# Altium PCB RockerBox_Rev04.PcbDoc (part 2 of 9)
Units mil, origin at the board's own origin, x right, y up, seen from the top; angles counter-clockwise.
Board outline 5354.33 x 8818.9 mil, 4 copper layers (L1, L2, L3, L4), stack 62.087 mil thick; 582 components, 159 nets, 3630 pads, 4701 vias.
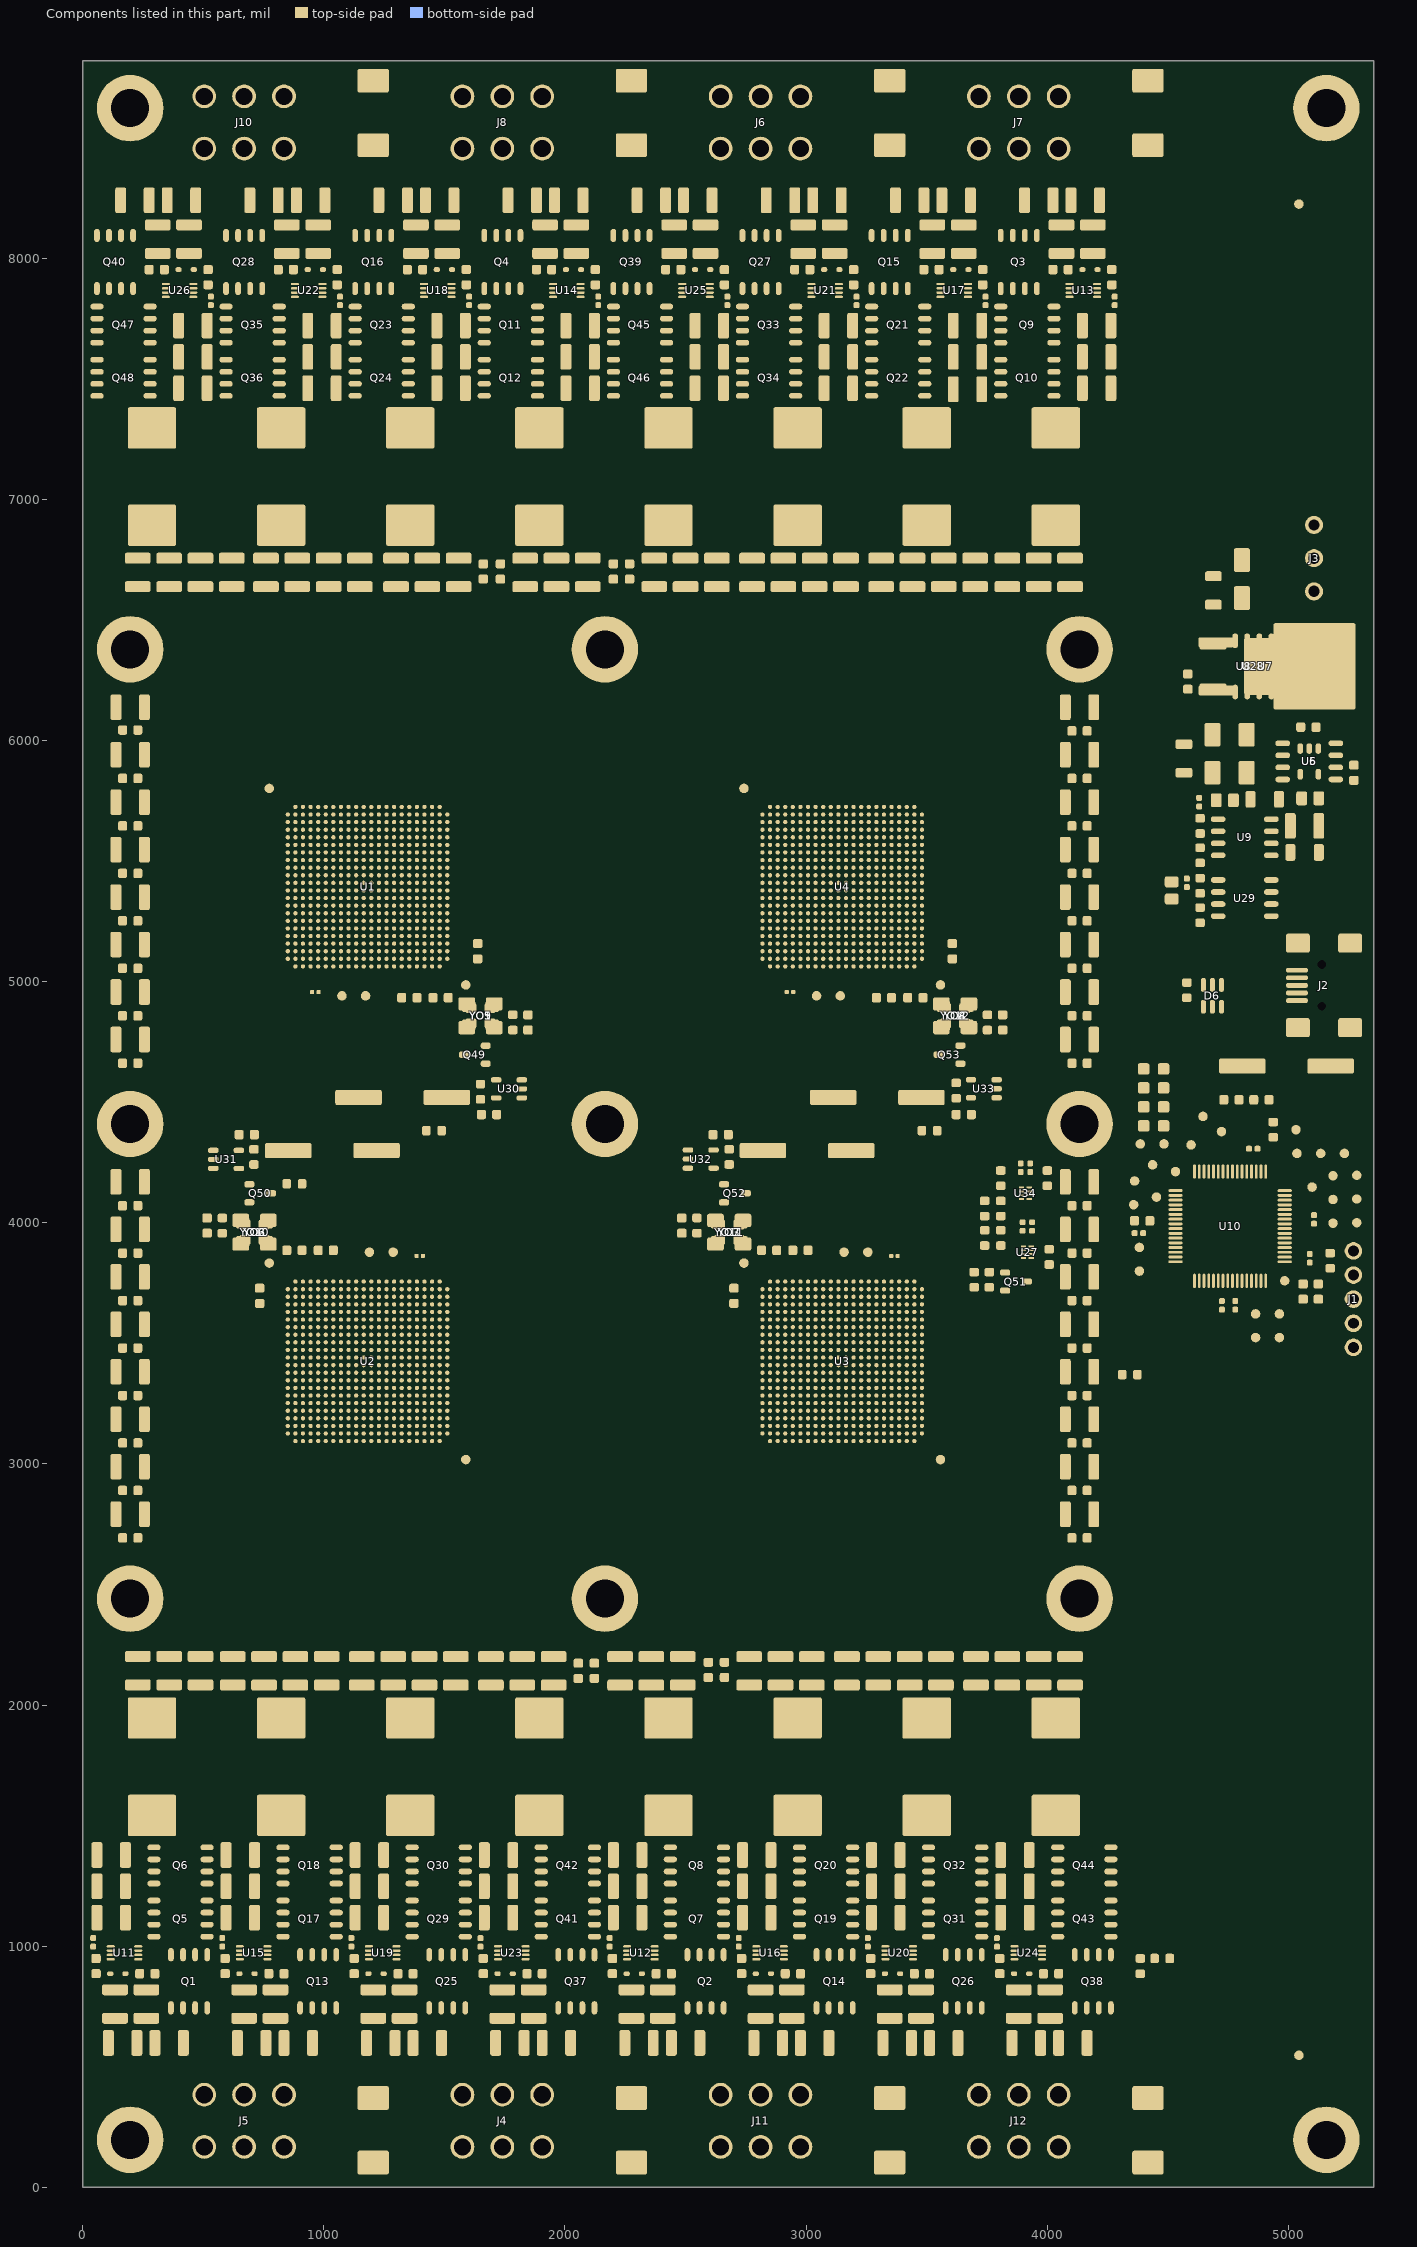
[diagram p4: the components of this part, seen from the top]

## Components (designator, comment, footprint, x,y, rotation, side; value= is the part's Value field where it differs from the comment) (continued)
C130 "C" SMD_1210_CAPC3225X279N 1952.76,2141.73 r270 top
C131 "C" SMD_1210_CAPC3225X279N 1692.91,2141.73 r270 top
C132 "C" SMD_1210_CAPC3225X279N 1822.83,2141.73 r270 top
C133 "C" SMD_1210_CAPC3225X270N 3881.89,759.84 r90 top
C134 "C" SMD_1210_CAPC3225X270N 4106.3,598.43 r0 top
C135 "C" SMD_1210_CAPC3225X279N 4094.49,2141.73 r270 top
C136 "C" SMD_1210_CAPC3225X279N 3834.65,2141.73 r270 top
C137 "C" SMD_1210_CAPC3225X279N 3964.57,2141.73 r270 top
C138 "C" SMD_1210_CAPC3225X270N 2582.68,8078.74 r270 top
C139 "C" SMD_1210_CAPC3225X270N 2358.27,8240.16 r180 top
C140 "C" SMD_1210_CAPC3225X279N 2629.92,6696.85 r90 top
C141 "C" SMD_1210_CAPC3225X279N 2500,6696.85 r90 top
C142 "C" SMD_1210_CAPC3225X279N 2370.08,6696.85 r90 top
C143 "C" SMD_1210_CAPC3225X270N 440.94,8078.74 r270 top
C144 "C" SMD_1210_CAPC3225X270N 216.54,8240.16 r180 top
C145 "C" SMD_1210_CAPC3225X279N 488.19,6696.85 r90 top
C146 "C" SMD_1210_CAPC3225X279N 358.27,6696.85 r90 top
C147 "C" SMD_1210_CAPC3225X279N 228.35,6696.85 r90 top
C148 "C" SMD_0603_CAPC1608X95N 196.85,4661.42 r180 top
C149 "C" SMD_0603_CAPC1608X95N 196.85,5448.82 r180 top
C150 "C" SMD_0603_CAPC1608X95N 1661.42,6700.79 r90 top
C151 "C" SMD_0603_CAPC1608X95N 196.85,5055.12 r180 top
C152 "C" SMD_0603_CAPC1608X95N 196.85,4858.27 r180 top
C153 "C" SMD_0603_CAPC1608X95N 196.85,5251.97 r180 top
C154 "C" SMD_0603_CAPC1608X95N 196.85,5645.67 r180 top
C155 "C" SMD_0603_CAPC1608X95N 196.85,5842.52 r180 top
C156 "C" SMD_1210_CAPC3225X279N 618.11,6696.85 r90 top
C157 "C" SMD_1210_CAPC3225X279N 196.85,6137.8 r180 top
C158 "C" SMD_1210_CAPC3225X279N 196.85,5547.24 r180 top
C159 "C" SMD_1210_CAPC3225X279N 196.85,5940.94 r180 top
C160 "C" SMD_1210_CAPC3225X279N 196.85,5744.09 r180 top
C161 "C" SMD_1210_CAPC3225X279N 196.85,5350.39 r180 top
C162 "C" SMD_1210_CAPC3225X279N 196.85,5153.54 r180 top
C163 "C" SMD_1210_CAPC3225X279N 196.85,4956.69 r180 top
C164 "C" SMD_1210_CAPC3225X279N 196.85,4759.84 r180 top
C165 "C" SMD_1210_CAPC3225X279N 1149.61,6696.85 r90 top
C166 "C" SMD_0603_CAPC1608X95N 2200.79,6700.79 r90 top
C167 "C" SMD_0603_CAPC1608X95N 4133.86,5842.52 r0 top
C168 "C" SMD_0402_CAPC1005X55N 3937.2,3984.25 r270 top
C169 "C" SMD_0603_CAPC1608X95N 4133.86,4858.27 r0 top
C170 "C" SMD_0603_CAPC1608X95N 4133.86,5251.97 r0 top
C171 "C" SMD_0603_CAPC1608X95N 2267.72,6700.79 r90 top
C172 "C" SMD_0603_CAPC1608X95N 4133.86,5055.12 r0 top
C173 "C" SMD_0603_CAPC1608X95N 4133.86,5448.82 r0 top
C174 "C" SMD_0603_CAPC1608X95N 4133.86,5645.67 r0 top
C175 "C" SMD_0603_CAPC1608X95N 4133.86,4661.42 r0 top
C176 "C" SMD_0603_CAPC1608X95N 4133.86,6039.37 r0 top
C177 "C" SMD_0603_CAPC1608X95N 196.85,3874.02 r180 top
C178 "C" SMD_0603_CAPC1608X95N 196.85,3677.17 r180 top
C179 "C" SMD_0603_CAPC1608X95N 196.85,2692.91 r180 top
C180 "C" SMD_0603_CAPC1608X95N 196.85,2889.76 r180 top
C181 "C" SMD_0603_CAPC1608X95N 196.85,4070.87 r180 top
C182 "C" SMD_0603_CAPC1608X95N 196.85,3086.61 r180 top
C183 "C" SMD_0603_CAPC1608X95N 196.85,3283.46 r180 top
C184 "C" SMD_0603_CAPC1608X95N 196.85,3480.31 r180 top
C185 "C" SMD_0603_CAPC1608X95N 2122.05,2141.73 r270 top
C186 "C" SMD_0603_CAPC1608X95N 2055.12,2141.73 r270 top
C187 "C" SMD_0603_CAPC1608X95N 2661.42,2145.67 r270 top
C188 "C" SMD_0603_CAPC1608X95N 2594.49,2145.67 r270 top
C189 "C" SMD_0603_CAPC1608X95N 4133.86,2692.91 r0 top
C190 "C" SMD_0603_CAPC1608X95N 4133.86,2889.76 r0 top
C191 "C" SMD_0603_CAPC1608X95N 4133.86,3086.61 r0 top
C192 "C" SMD_0603_CAPC1608X95N 4133.86,3283.46 r0 top
C193 "C" SMD_0603_CAPC1608X95N 4133.86,3480.31 r0 top
C194 "C" SMD_0603_CAPC1608X95N 4133.86,3677.17 r0 top
C195 "C" SMD_0603_CAPC1608X95N 4133.86,3874.02 r0 top
C196 "C" SMD_0603_CAPC1608X95N 4133.86,4070.87 r0 top
C197 "C" SMD_1210_CAPC3225X279N 4133.86,3972.44 r0 top
C198 "C" SMD_1210_CAPC3225X279N 3169.29,2141.73 r270 top
C199 "C" SMD_1210_CAPC3225X279N 3704.72,2141.73 r270 top
C200 "C" SMD_1210_CAPC3225X279N 4133.86,2791.34 r0 top
C201 "C" SMD_1210_CAPC3225X279N 4133.86,2988.19 r0 top
C202 "C" SMD_1210_CAPC3225X279N 4133.86,3381.89 r0 top
C203 "C" SMD_1210_CAPC3225X279N 4133.86,3185.04 r0 top
C204 "C" SMD_1210_CAPC3225X279N 4133.86,3578.74 r0 top
C205 "C" SMD_1210_CAPC3225X279N 4133.86,3775.59 r0 top
C206 "C" SMD_1210_CAPC3225X279N 4133.86,4169.29 r0 top
C207 "C" SMD_1210_CAPC3225X279N 1547.24,2141.73 r270 top
C208 "C" SMD_1210_CAPC3225X279N 1011.81,2141.73 r270 top
C209 "C" SMD_1210_CAPC3225X279N 196.85,4169.29 r180 top
C210 "C" SMD_1210_CAPC3225X279N 196.85,3972.44 r180 top
C211 "C" SMD_1210_CAPC3225X279N 196.85,3775.59 r180 top
C212 "C" SMD_1210_CAPC3225X279N 196.85,3381.89 r180 top
C213 "C" SMD_1210_CAPC3225X279N 196.85,3185.04 r180 top
C214 "C" SMD_1210_CAPC3225X279N 196.85,2988.19 r180 top
C215 "C" SMD_1210_CAPC3225X279N 196.85,2791.34 r180 top
C216 "C" SMD_1210_CAPC3225X279N 196.85,3578.74 r180 top
C217 "C" SMD_1210_CAPC3225X279N 4133.86,6137.8 r0 top
C218 "C" SMD_1210_CAPC3225X279N 4133.86,5744.09 r0 top
C219 "C" SMD_1210_CAPC3225X279N 3311.02,6696.85 r90 top
C220 "C" SMD_1210_CAPC3225X279N 2775.59,6696.85 r90 top
C221 "C" SMD_1210_CAPC3225X279N 4133.86,4759.84 r0 top
C222 "C" SMD_1210_CAPC3225X279N 4133.86,4956.69 r0 top
C223 "C" SMD_1210_CAPC3225X279N 4133.86,5153.54 r0 top
C224 "C" SMD_1210_CAPC3225X279N 4133.86,5350.39 r0 top
C225 "C" SMD_1210_CAPC3225X279N 4133.86,5547.24 r0 top
C226 "C" SMD_1210_CAPC3225X279N 4133.86,5940.94 r0 top
C227 "C" SMD_0603_CAPC1608X95N 1846.46,4830.71 r90 top
C228 "C" SMD_0603_CAPC1608X95N 515.75,3988.19 r270 top
C229 "C" SMD_0603_CAPC1608X95N 680.11,4365.33 r0 top
C230 "C" SMD_0603_CAPC1608X95N 3814.96,4830.71 r90 top
C231 "C" SMD_0805_CAPC2012X145N 4515.75,5377.95 r270 top
C232 "C" SMD_0402_CAPC1005X55N 4578.74,5409.45 r270 top
C233 "C" SMD_0603_CAPC1608X95N 1637.8,5125.98 r270 top
C234 "C" SMD_0603_CAPC1608X95N 733.68,3696.87 r90 top
C235 "C" SMD_0603_CAPC1608X95N 2700.79,3696.87 r90 top
C236 "C" SMD_1210_CAPC3225X279N 358.58,2142.33 r270 top
C237 "C" SMD_0603_CAPC1608X95N 3606.3,5125.98 r270 top
C238 "C" SMD_0603_CAPC1608X95N 1685.04,4448.82 r180 top
C239 "C" SMD_0603_CAPC1608X95N 3653.54,4448.82 r180 top
C240 "C" SMD_0603_CAPC1608X95N 2484.25,3988.19 r270 top
C241 "C" SMD_0603_CAPC1608X95N 2645.67,4365.33 r0 top
C242 "C" SMD_0603_CAPC1608X95N 1484.25,4933.07 r0 top
C243 "C" SMD_0603_CAPC1608X95N 1354.33,4933.07 r180 top
C244 "C" SMD_0603_CAPC1608X95N 877.95,3885.83 r180 top
C245 "C" SMD_0603_CAPC1608X95N 1007.87,3885.83 r0 top
C246 "C" SMD_0603_CAPC1608X95N 2846.46,3885.83 r180 top
C247 "C" SMD_0603_CAPC1608X95N 2976.38,3885.83 r0 top
C248 "C" SMD_0603_CAPC1608X95N 3452.76,4933.07 r0 top
C249 "C" SMD_0603_CAPC1608X95N 3322.83,4933.07 r180 top
C250 "C" SMD_0402_CAPC1005X55N 3889.96,4228.35 r270 top
C251 "C" SMD_0402_CAPC1005X55N 3929.33,4228.35 r270 top
C347 "C" SMD_0603_CAPC1608X95N 5271.65,5866.14 r90 top
C348 "C" SMD_1210_CAPC3225X270N 2307.09,598.43 r180 top
C349 "C" SMD_1210_CAPC3225X270N 2405.51,759.84 r90 top
C350 "C" SMD_1210_CAPC3225X279N 2259.84,1248.03 r180 top
C351 "C" SMD_1210_CAPC3225X279N 2259.84,1377.95 r180 top
C352 "C" SMD_1210_CAPC3225X279N 2259.84,1118.11 r180 top
C353 "C" SMD_1210_CAPC3225X270N 2015.75,8240.16 r0 top
C354 "C" SMD_1210_CAPC3225X270N 1917.32,8078.74 r270 top
C355 "C" SMD_1210_CAPC3225X279N 2062.99,7720.47 r0 top
C356 "C" SMD_1210_CAPC3225X279N 2062.99,7590.55 r0 top
C357 "C" SMD_1210_CAPC3225X279N 2062.99,7460.63 r0 top
C358 "C" SMD_1210_CAPC3225X270N 1480.31,8240.16 r0 top
C359 "C" SMD_1210_CAPC3225X270N 1381.89,8078.74 r270 top
C360 "C" SMD_1210_CAPC3225X279N 1527.56,7720.47 r0 top
C361 "C" SMD_1210_CAPC3225X279N 1527.56,7590.55 r0 top
C362 "C" SMD_1210_CAPC3225X279N 1527.56,7460.63 r0 top
C363 "C" SMD_1210_CAPC3225X270N 944.88,8240.16 r0 top
C364 "C" SMD_1210_CAPC3225X270N 846.46,8078.74 r270 top
C365 "C" SMD_1210_CAPC3225X279N 992.13,7460.63 r0 top
C366 "C" SMD_1210_CAPC3225X279N 992.13,7590.55 r0 top
C367 "C" SMD_1210_CAPC3225X279N 992.13,7720.47 r0 top
C368 "C" SMD_1210_CAPC3225X270N 409.45,8240.16 r0 top
C369 "C" SMD_1210_CAPC3225X270N 311.02,8078.74 r270 top
C370 "C" SMD_1210_CAPC3225X279N 456.69,7460.63 r0 top
C371 "C" SMD_1210_CAPC3225X279N 456.69,7590.55 r0 top
C372 "C" SMD_1210_CAPC3225X279N 456.69,7720.47 r0 top
C373 "C" SMD_1210_CAPC3225X270N 4157.48,8240.16 r0 top
C374 "C" SMD_1210_CAPC3225X270N 4059.06,8078.74 r270 top
C375 "C" SMD_1210_CAPC3225X279N 4204.72,7590.55 r0 top
C376 "C" SMD_1210_CAPC3225X279N 4204.72,7720.47 r0 top
C377 "C" SMD_1210_CAPC3225X279N 4204.72,7460.63 r0 top
C378 "C" SMD_1210_CAPC3225X270N 3622.05,8240.16 r0 top
C379 "C" SMD_1210_CAPC3225X270N 3523.62,8078.74 r270 top
C380 "C" SMD_1210_CAPC3225X279N 3669.29,7456.69 r0 top
C381 "C" SMD_1210_CAPC3225X279N 3669.29,7590.55 r0 top
C382 "C" SMD_1210_CAPC3225X279N 3669.29,7720.47 r0 top
C383 "C" SMD_1210_CAPC3225X270N 3086.61,8240.16 r0 top
C384 "C" SMD_1210_CAPC3225X270N 2988.19,8078.74 r270 top
C385 "C" SMD_1210_CAPC3225X279N 3133.86,7460.63 r0 top
C386 "C" SMD_1210_CAPC3225X279N 3133.86,7590.55 r0 top
C387 "C" SMD_1210_CAPC3225X279N 3133.86,7720.47 r0 top
C388 "C" SMD_1210_CAPC3225X279N 2598.43,7460.63 r0 top
C389 "C" SMD_1210_CAPC3225X279N 2598.43,7590.55 r0 top
C390 "C" SMD_1210_CAPC3225X279N 2598.43,7720.47 r0 top
C391 "C" SMD_1210_CAPC3225X270N 2551.18,8240.16 r0 top
C392 "C" SMD_1210_CAPC3225X270N 2452.76,8078.74 r270 top
C393 "C" SMD_1210_CAPC3225X279N 2795.28,1248.03 r180 top
C394 "C" SMD_1210_CAPC3225X279N 2795.28,1377.95 r180 top
C395 "C" SMD_1210_CAPC3225X279N 2795.28,1118.11 r180 top
C396 "C" SMD_1210_CAPC3225X279N 3330.71,1248.03 r180 top
C397 "C" SMD_1210_CAPC3225X279N 3330.71,1377.95 r180 top
C398 "C" SMD_1210_CAPC3225X279N 3330.71,1118.11 r180 top
C399 "C" SMD_1210_CAPC3225X279N 3866.14,1248.03 r180 top
C400 "C" SMD_1210_CAPC3225X279N 3866.14,1377.95 r180 top
C401 "C" SMD_1210_CAPC3225X279N 3866.14,1118.11 r180 top
C402 "C" SMD_1210_CAPC3225X270N 2842.52,598.43 r180 top
C403 "C" SMD_1210_CAPC3225X270N 2940.94,759.84 r90 top
C404 "C" SMD_1210_CAPC3225X270N 3377.95,598.43 r180 top
C405 "C" SMD_1210_CAPC3225X270N 3476.38,759.84 r90 top
C406 "C" SMD_1210_CAPC3225X270N 3913.39,598.43 r180 top
C407 "C" SMD_1210_CAPC3225X270N 4011.81,759.84 r90 top
C408 "C" SMD_1210_CAPC3225X279N 118.11,1248.03 r180 top
C409 "C" SMD_1210_CAPC3225X279N 118.11,1377.95 r180 top
C410 "C" SMD_1210_CAPC3225X279N 118.11,1118.11 r180 top
C411 "C" SMD_1210_CAPC3225X279N 653.54,1248.03 r180 top
C412 "C" SMD_1210_CAPC3225X279N 653.54,1377.95 r180 top
C413 "C" SMD_1210_CAPC3225X279N 653.54,1118.11 r180 top
C414 "C" SMD_1210_CAPC3225X279N 1188.98,1248.03 r180 top
C415 "C" SMD_1210_CAPC3225X279N 1188.98,1377.95 r180 top
C416 "C" SMD_1210_CAPC3225X279N 1188.98,1118.11 r180 top
C417 "C" SMD_1210_CAPC3225X279N 1724.41,1248.03 r180 top
C418 "C" SMD_1210_CAPC3225X279N 1724.41,1377.95 r180 top
C419 "C" SMD_1210_CAPC3225X279N 1724.41,1118.11 r180 top
C420 "C" SMD_1210_CAPC3225X270N 165.35,598.43 r180 top
C421 "C" SMD_1210_CAPC3225X270N 263.78,759.84 r90 top
C422 "C" SMD_1210_CAPC3225X270N 700.79,598.43 r180 top
C423 "C" SMD_1210_CAPC3225X270N 799.21,759.84 r90 top
C424 "C" SMD_1210_CAPC3225X270N 1236.22,598.43 r180 top
C425 "C" SMD_1210_CAPC3225X270N 1334.65,759.84 r90 top
C426 "C" SMD_1210_CAPC3225X270N 1771.65,598.43 r180 top
C427 "C" SMD_1210_CAPC3225X270N 1870.08,759.84 r90 top
D1 "LED" SMD_0805_LED2012X100N 4440.94,4401.57 r0 top
D2 "LED" SMD_0805_LED2012X100N 4440.94,4480.31 r0 top
D3 "LED" SMD_0805_LED2012X100N 4440.94,4637.8 r0 top
D4 "LED" SMD_0805_LED2012X100N 4440.94,4559.06 r0 top
D5 "D_STKY" SMD_DO214AC_SMA 4685.04,5944.88 r90 top
D6 "D_TVS_QUAD_C1A2C3C4A5C6" SMD_SOT457_SOT95P275X110-6N 4685.04,4940.94 r270 top
D7 "D_STKY" SMD_DO214AC_SMA 4826.77,5944.88 r270 top
D8 "D_STKY" SMD_DO214AC_SMA 4807.09,6669.29 r90 top
D9 "D_TVS_UNI" SMD_DO214AC_SMC 4417.32,236.22 r270 top
D10 "D" SMD_SOD523_SOD1608X65N 145.67,885.83 r180 top
D11 "D" SMD_SOD523_SOD1608X65N 2287.4,885.83 r180 top
D12 "D" SMD_SOD523_SOD1608X65N 4177.17,7952.76 r0 top
D13 "D" SMD_SOD523_SOD1608X65N 2035.43,7952.76 r0 top
D14 "D" SMD_SOD523_SOD1608X65N 681.1,885.83 r180 top
D15 "D" SMD_SOD523_SOD1608X65N 2822.83,885.83 r180 top
D16 "D" SMD_SOD523_SOD1608X65N 3641.73,7952.76 r0 top
D17 "D" SMD_SOD523_SOD1608X65N 1500,7952.76 r0 top
D18 "D" SMD_SOD523_SOD1608X65N 1216.54,885.83 r180 top
D19 "D" SMD_SOD523_SOD1608X65N 3358.27,885.83 r180 top
D20 "D" SMD_SOD523_SOD1608X65N 3106.3,7952.76 r0 top
D21 "D" SMD_SOD523_SOD1608X65N 964.57,7952.76 r0 top
D22 "D" SMD_SOD523_SOD1608X65N 1751.97,885.83 r180 top
D23 "D" SMD_SOD523_SOD1608X65N 3893.7,885.83 r180 top
D24 "D" SMD_SOD523_SOD1608X65N 2570.87,7952.76 r0 top
D25 "D" SMD_SOD523_SOD1608X65N 429.13,7952.76 r0 top
D26 "D_TVS_UNI" SMD_DO214AC_SMC 2275.59,236.22 r270 top
D27 "D_TVS_UNI" SMD_DO214AC_SMC 3346.46,236.22 r270 top
D28 "D_TVS_UNI" SMD_DO214AC_SMC 1204.72,236.22 r270 top
D29 "D_TVS_UNI" SMD_DO214AC_SMC 1204.72,8602.36 r90 top
D30 "D_TVS_UNI" SMD_DO214AC_SMC 3346.46,8602.36 r90 top
D31 "D_TVS_UNI" SMD_DO214AC_SMC 2275.59,8602.36 r90 top
D32 "D_TVS_UNI" SMD_DO214AC_SMC 4417.32,8602.36 r90 top
FID1 "FIDUCIAL" FID100X200 5043.5,547.24 r0 top
FID2 "FIDUCIAL" FID100X200 5043.5,8224.41 r0 top
J1 "CON_5PINS" PTH_HDRV05W64P254_1X05 5269.68,3683.07 r270 top
J2 "CON_USB_MINI_1" SMD_CON-CVILUX-CU04-SCM15B0 5137.8,4984.25 r90 top
J3 "CON_3PINS" PTH_CON_HD-351-3P 5106.3,6755.91 r90 top
J4 "CON_2ROWS_6PINS_1" PTH_CON_WR-MRC4-6P_S 1740.16,275.59 r180 top
J5 "CON_2ROWS_6PINS_1" PTH_CON_WR-MRC4-6P_S 669.29,275.59 r180 top
J6 "CON_2ROWS_6PINS_1" PTH_CON_WR-MRC4-6P_S 2811.02,8562.99 r0 top
J7 "CON_2ROWS_6PINS_1" PTH_CON_WR-MRC4-6P_S 3881.89,8562.99 r0 top
J8 "CON_2ROWS_6PINS_1" PTH_CON_WR-MRC4-6P_S 1740.16,8562.99 r0 top
J9 "CON_1PIN" PTH_MTG400_700 196.85,4409.45 r0 top
J10 "CON_2ROWS_6PINS_1" PTH_CON_WR-MRC4-6P_S 669.29,8562.99 r0 top
J11 "CON_2ROWS_6PINS_1" PTH_CON_WR-MRC4-6P_S 2811.02,275.59 r180 top
J12 "CON_2ROWS_6PINS_1" PTH_CON_WR-MRC4-6P_S 3881.89,275.59 r180 top
J13 "CON_1PIN" PTH_MTG400_700 2165.35,4409.45 r0 top
J14 "CON_1PIN" PTH_MTG400_700 2165.35,6377.95 r0 top
J15 "CON_1PIN" PTH_MTG400_700 196.85,6377.95 r0 top
J16 "CON_1PIN" PTH_MTG400_700 4133.86,6377.95 r0 top
J17 "CON_1PIN" PTH_MTG400_700 4133.86,4409.45 r0 top
J18 "CON_1PIN" PTH_MTG400_700 196.85,2440.94 r0 top
J19 "CON_1PIN" PTH_MTG400_700 2165.35,2440.94 r0 top
J20 "CON_1PIN" PTH_MTG400_700 4133.86,2440.94 r0 top
J21 "CON_1PIN" PTH_MTG400_700 196.85,196.85 r0 top
J22 "CON_1PIN" PTH_MTG400_700 5157.48,196.85 r0 top
J23 "CON_1PIN" PTH_MTG400_700 196.85,8622.05 r0 top
J24 "CON_1PIN" PTH_MTG400_700 5157.48,8622.05 r0 top
L1 "L" SMT_INDM135130X800N 287.4,1744.09 r90 top
L2 "L" SMT_INDM135130X800N 2429.13,1744.09 r90 top
L3 "L" SMT_INDM135130X800N 4035.43,7094.49 r270 top
L4 "L" SMT_INDM135130X800N 1893.7,7094.49 r270 top
L5 "L" SMT_INDM135130X800N 822.83,1744.09 r90 top
L6 "L" SMT_INDM135130X800N 2964.57,1744.09 r90 top
L7 "L" SMT_INDM135130X800N 3500,7094.49 r270 top
L8 "L" SMT_INDM135130X800N 1358.27,7094.49 r270 top
L9 "L" SMT_INDM135130X800N 1358.27,1744.09 r90 top
L10 "L" SMT_INDM135130X800N 3500,1744.09 r90 top
L11 "L" SMT_INDM135130X800N 2964.57,7094.49 r270 top
L12 "L" SMT_INDM135130X800N 822.83,7094.49 r270 top
L13 "L" SMT_INDM135130X800N 1893.7,1744.09 r90 top
L14 "L" SMT_INDM135130X800N 4035.43,1744.09 r90 top
L15 "L" SMT_INDM135130X800N 2429.13,7094.49 r270 top
L16 "L" SMT_INDM135130X800N 287.4,7094.49 r270 top
Q1 "MOS_N_D1_S1S2S3G4D5D6D7D8" SMD_SOIC127P600X110-9AN 440.94,854.33 r270 top
Q2 "MOS_N_D1_S1S2S3G4D5D6D7D8" SMD_SOIC127P600X110-9AN 2582.68,854.33 r270 top
Q3 "MOS_N_D1_S1S2S3G4D5D6D7D8" SMD_SOIC127P600X110-9AN 3881.89,7984.25 r90 top
Q4 "MOS_N_D1_S1S2S3G4D5D6D7D8" SMD_SOIC127P600X110-9AN 1740.16,7984.25 r90 top
Q5 "MOS_N_D1_S1S2S3G4D5D6D7D8" SMD_SOIC127P600X110-9AN 405.51,1114.17 r0 top
Q6 "MOS_N_D1_S1S2S3G4D5D6D7D8" SMD_SOIC127P600X110-9AN 405.51,1334.65 r0 top
Q7 "MOS_N_D1_S1S2S3G4D5D6D7D8" SMD_SOIC127P600X110-9AN 2547.24,1114.17 r0 top
Q8 "MOS_N_D1_S1S2S3G4D5D6D7D8" SMD_SOIC127P600X110-9AN 2547.24,1334.65 r0 top
Q9 "MOS_N_D1_S1S2S3G4D5D6D7D8" SMD_SOIC127P600X110-9AN 3917.32,7724.41 r180 top
Q10 "MOS_N_D1_S1S2S3G4D5D6D7D8" SMD_SOIC127P600X110-9AN 3917.32,7503.94 r180 top
Q11 "MOS_N_D1_S1S2S3G4D5D6D7D8" SMD_SOIC127P600X110-9AN 1775.59,7724.41 r180 top
Q12 "MOS_N_D1_S1S2S3G4D5D6D7D8" SMD_SOIC127P600X110-9AN 1775.59,7503.94 r180 top
Q13 "MOS_N_D1_S1S2S3G4D5D6D7D8" SMD_SOIC127P600X110-9AN 976.38,854.33 r270 top
Q14 "MOS_N_D1_S1S2S3G4D5D6D7D8" SMD_SOIC127P600X110-9AN 3118.11,854.33 r270 top
Q15 "MOS_N_D1_S1S2S3G4D5D6D7D8" SMD_SOIC127P600X110-9AN 3346.46,7984.25 r90 top
Q16 "MOS_N_D1_S1S2S3G4D5D6D7D8" SMD_SOIC127P600X110-9AN 1204.72,7984.25 r90 top
Q17 "MOS_N_D1_S1S2S3G4D5D6D7D8" SMD_SOIC127P600X110-9AN 940.94,1114.17 r0 top
Q18 "MOS_N_D1_S1S2S3G4D5D6D7D8" SMD_SOIC127P600X110-9AN 940.94,1334.65 r0 top
Q19 "MOS_N_D1_S1S2S3G4D5D6D7D8" SMD_SOIC127P600X110-9AN 3082.68,1114.17 r0 top
Q20 "MOS_N_D1_S1S2S3G4D5D6D7D8" SMD_SOIC127P600X110-9AN 3082.68,1334.65 r0 top
Q21 "MOS_N_D1_S1S2S3G4D5D6D7D8" SMD_SOIC127P600X110-9AN 3381.89,7724.41 r180 top
Q22 "MOS_N_D1_S1S2S3G4D5D6D7D8" SMD_SOIC127P600X110-9AN 3381.89,7503.94 r180 top
Q23 "MOS_N_D1_S1S2S3G4D5D6D7D8" SMD_SOIC127P600X110-9AN 1240.16,7724.41 r180 top
Q24 "MOS_N_D1_S1S2S3G4D5D6D7D8" SMD_SOIC127P600X110-9AN 1240.16,7503.94 r180 top
Q25 "MOS_N_D1_S1S2S3G4D5D6D7D8" SMD_SOIC127P600X110-9AN 1511.81,854.33 r270 top
Q26 "MOS_N_D1_S1S2S3G4D5D6D7D8" SMD_SOIC127P600X110-9AN 3653.54,854.33 r270 top
Q27 "MOS_N_D1_S1S2S3G4D5D6D7D8" SMD_SOIC127P600X110-9AN 2811.02,7984.25 r90 top
Q28 "MOS_N_D1_S1S2S3G4D5D6D7D8" SMD_SOIC127P600X110-9AN 669.29,7984.25 r90 top
Q29 "MOS_N_D1_S1S2S3G4D5D6D7D8" SMD_SOIC127P600X110-9AN 1476.38,1114.17 r0 top
Q30 "MOS_N_D1_S1S2S3G4D5D6D7D8" SMD_SOIC127P600X110-9AN 1476.38,1334.65 r0 top
Q31 "MOS_N_D1_S1S2S3G4D5D6D7D8" SMD_SOIC127P600X110-9AN 3618.11,1114.17 r0 top
Q32 "MOS_N_D1_S1S2S3G4D5D6D7D8" SMD_SOIC127P600X110-9AN 3618.11,1334.65 r0 top
Q33 "MOS_N_D1_S1S2S3G4D5D6D7D8" SMD_SOIC127P600X110-9AN 2846.46,7724.41 r180 top
Q34 "MOS_N_D1_S1S2S3G4D5D6D7D8" SMD_SOIC127P600X110-9AN 2846.46,7503.94 r180 top
Q35 "MOS_N_D1_S1S2S3G4D5D6D7D8" SMD_SOIC127P600X110-9AN 704.72,7724.41 r180 top
Q36 "MOS_N_D1_S1S2S3G4D5D6D7D8" SMD_SOIC127P600X110-9AN 704.72,7503.94 r180 top
Q37 "MOS_N_D1_S1S2S3G4D5D6D7D8" SMD_SOIC127P600X110-9AN 2047.24,854.33 r270 top
Q38 "MOS_N_D1_S1S2S3G4D5D6D7D8" SMD_SOIC127P600X110-9AN 4188.98,854.33 r270 top
Q39 "MOS_N_D1_S1S2S3G4D5D6D7D8" SMD_SOIC127P600X110-9AN 2275.59,7984.25 r90 top